# Altium PCB m-BLANC.PcbDoc (part 10 of 15)
Units mm, origin at the board's own origin, x right, y up, seen from the top; angles counter-clockwise.
Board outline 100 x 100 mm, 6 copper layers (Top Layer, InLayer1 (GND), InLayer2 (Signal), InLayer3 (PWR), InLayer4 (GND), Bottom Layer), stack 1.634 mm thick; 322 components, 563 nets, 2865 pads, 1870 vias.
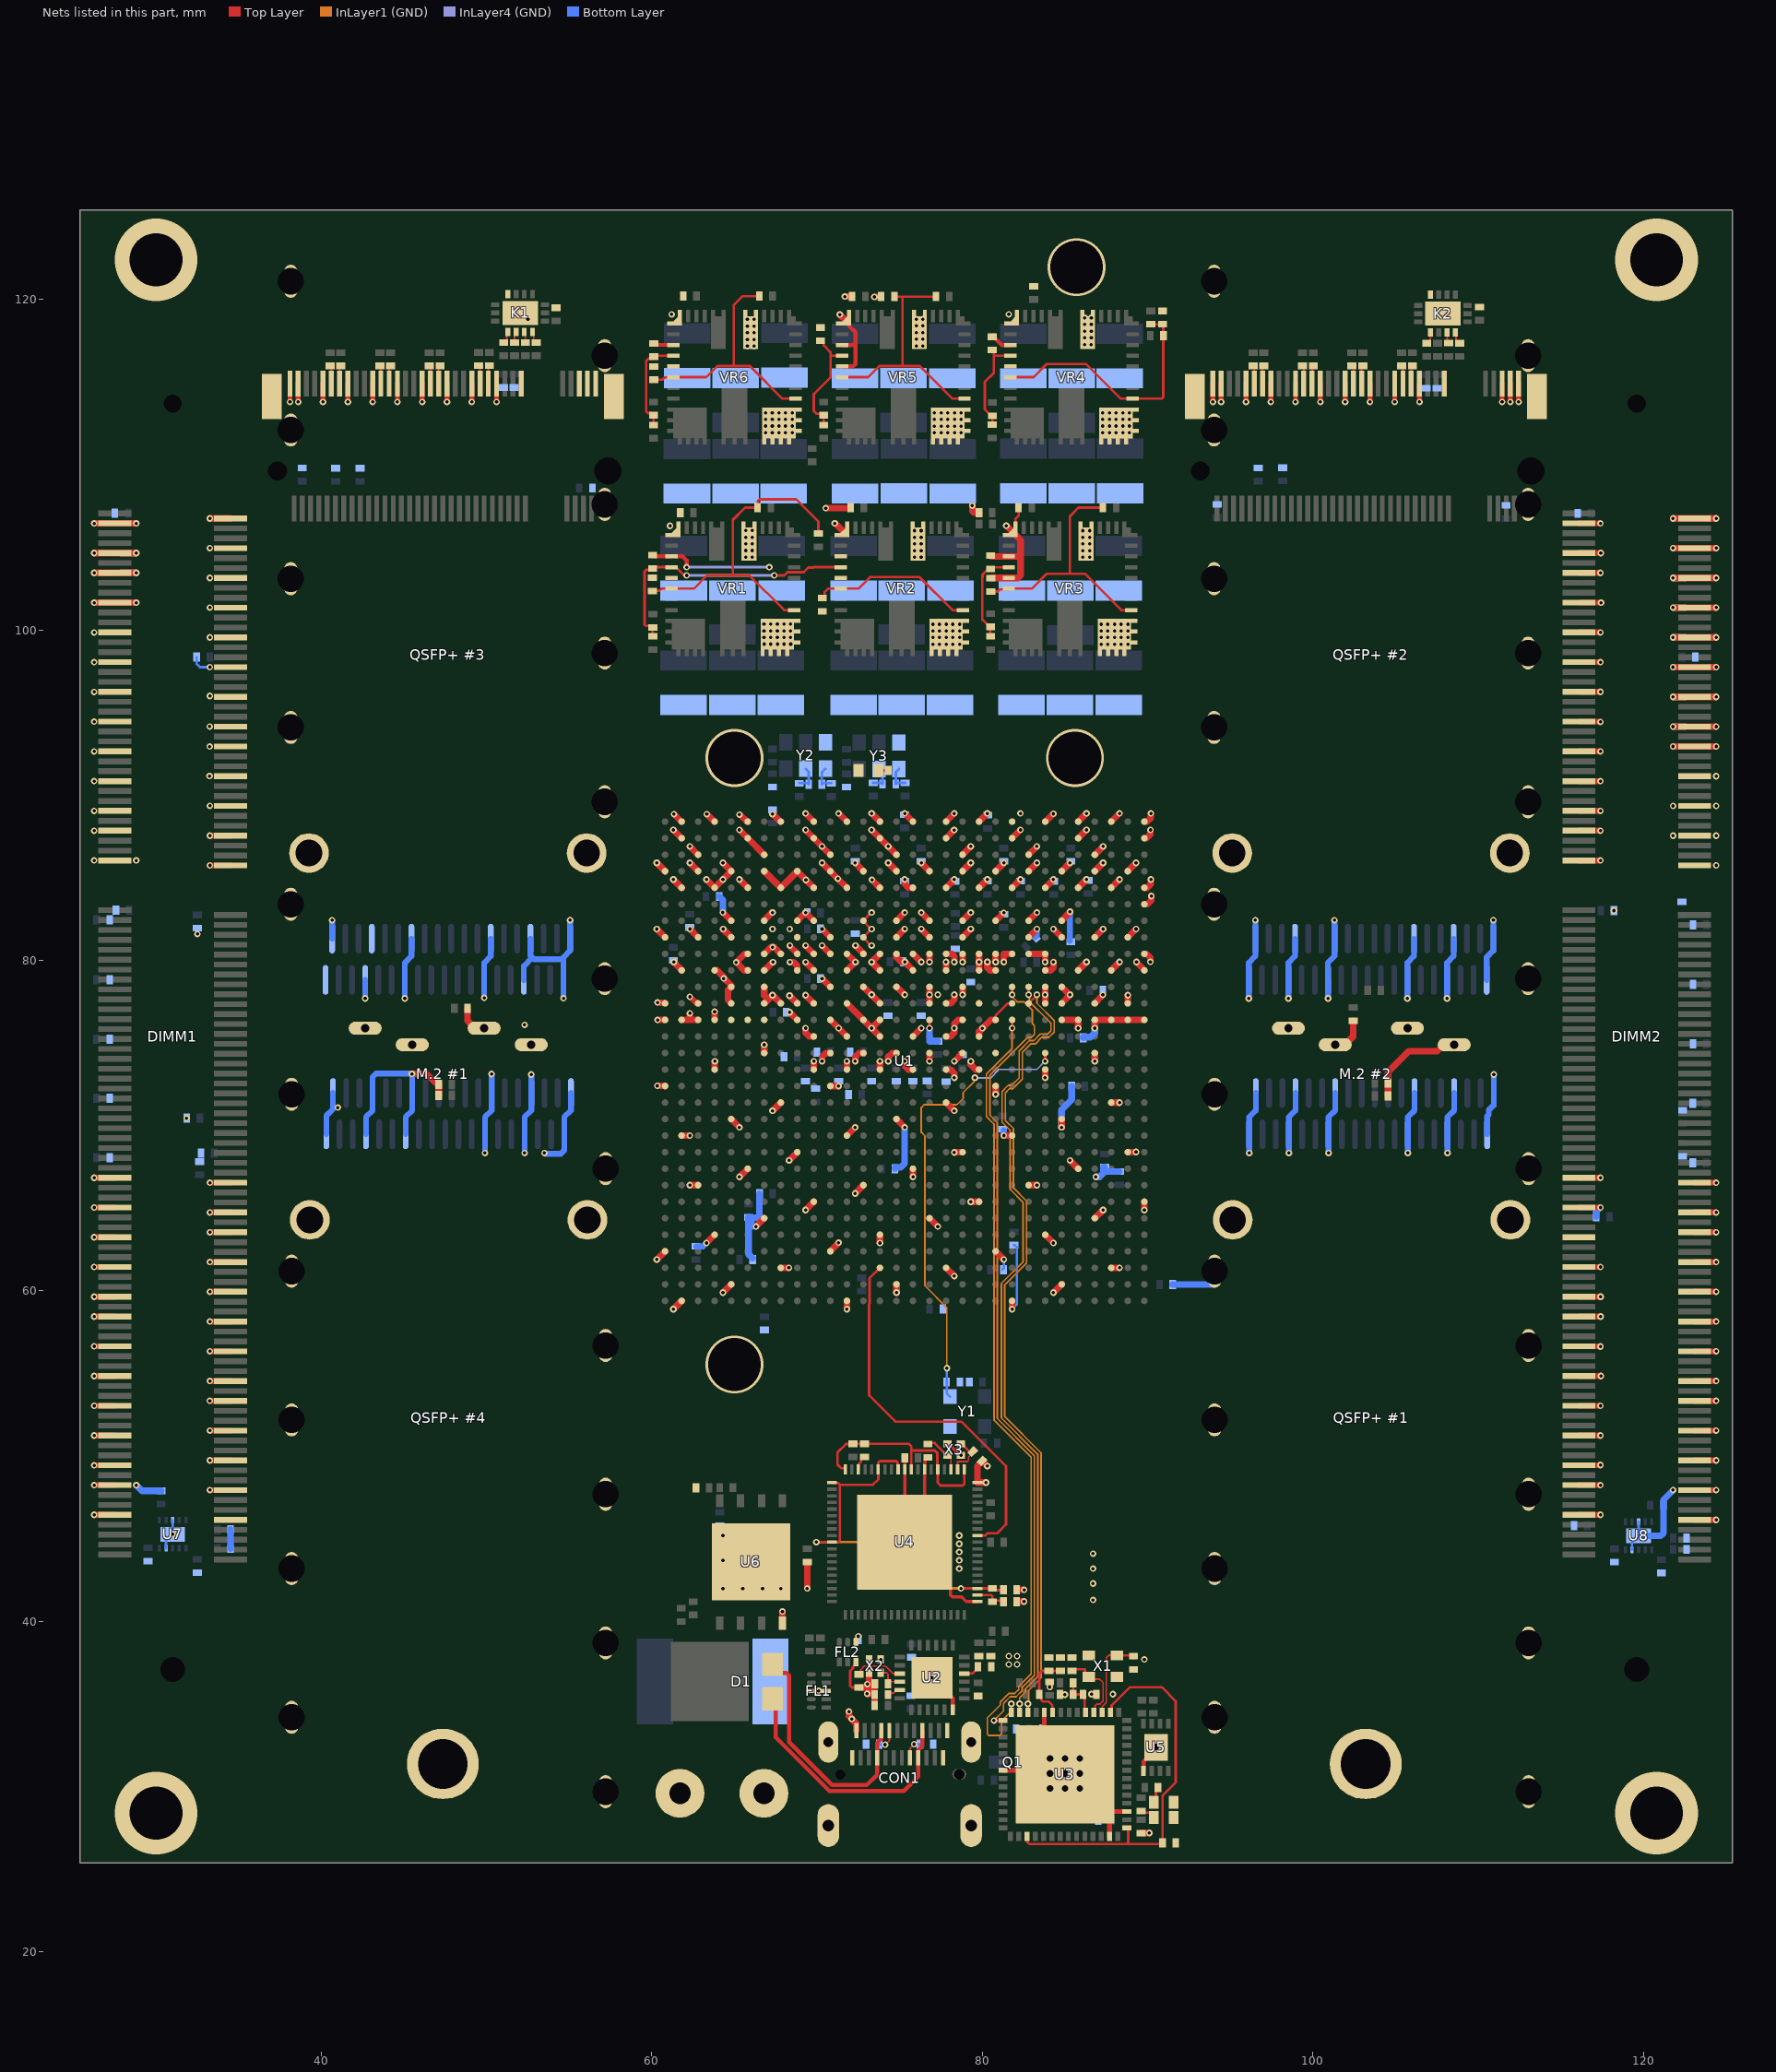
[diagram p14: the nets of this part, all layers, seen from the top]

## Via types
v1: diameter 0.4, hole 0.2, Top Layer to Bottom Layer, tented both sides, 1808 vias
v2: diameter 0.8, hole 0.4, Top Layer to Bottom Layer, tented both sides, 54 vias
v3: diameter 5, hole 3.2, Top Layer to Bottom Layer, 4 vias
v4: diameter 3.5, hole 3.2, Top Layer to Bottom Layer, 4 vias

## Nets (pads, with @x,y where several pads share a name; then routed paths per layer and width w, separated by ;. In a path a pad name is that pad's centre, name@x,y a point inside that pad or via, vN(x,y) a via of type N, cw(c..) or ccw(c..) an arc to the next point about the centre after c; other vN are vias at no path point) (continued)
FT_WR: U1.U28 U4.11 | length 23.6
  Top Layer w0.15: U1.U28@73.8,61.4 73.175,60.775 73.175,60.555 73.175,60.129 73.175,59.555 73.175,59.245 73.143,59.213 73.143,53.685 74.737,52.091 78.736,52.091 81.431,49.396 81.431,45.869 80.9,45.338 80.315,45.338 80.178,45.2 U4.11@79.7,45.2
GCLK: C84.2 U1.G15 Y1.3 | length 27.7
  Top Layer w0.15: v1(83.8,73.9) U1.G15@83.8,74.4
  InLayer1 (GND) w0.1: v1(77.851,55.323) 77.851,58.988 76.522,60.316 76.522,69.378 76.3,69.6 76.3,71.1 76.472,71.272 78.456,71.272 78.838,71.654 78.838,72 79.497,72.66 79.497,72.849 v1(79.55,72.902)
  InLayer4 (GND) w0.1: v1(79.55,72.902) 79.566,72.886 80.486,72.886 81,73.4 83.3,73.4 v1(83.8,73.9)
  Bottom Layer w0.15: v1(77.851,55.323) 77.844,55.317 77.844,54.492 C84.2@77.838,54.485 77.838,53.8 Y1.3@78.038,53.6
GND: "M.2 #1.1" "M.2 #1.3" "M.2 #1.9" "M.2 #1.15" "M.2 #1.21" "M.2 #1.27" "M.2 #1.33" "M.2 #1.39" "M.2 #1.45" "M.2 #1.51" "M.2 #1.57" "M.2 #1.71" "M.2 #1.73" "M.2 #1.75" "M.2 #1.MH3" "M.2 #1.MP1" "M.2 #1.MP2" "M.2 #2.1" "M.2 #2.3" "M.2 #2.9" "M.2 #2.15" "M.2 #2.21" "M.2 #2.27" "M.2 #2.33" "M.2 #2.39" "M.2 #2.45" "M.2 #2.51" "M.2 #2.57" "M.2 #2.71" "M.2 #2.73" "M.2 #2.75" "M.2 #2.MH3" "M.2 #2.MP1" "M.2 #2.MP2" "QSFP+ #1.1" "QSFP+ #1.4" "QSFP+ #1.7" "QSFP+ #1.13" "QSFP+ #1.16" "QSFP+ #1.19" "QSFP+ #1.20" "QSFP+ #1.23" "QSFP+ #1.26" "QSFP+ #1.32" "QSFP+ #1.35" "QSFP+ #1.38" "QSFP+ #1.MH1" "QSFP+ #1.MH2" "QSFP+ #1.MH3" "QSFP+ #1.MH4" "QSFP+ #1.MH5" "QSFP+ #1.MH6" "QSFP+ #1.MH7" "QSFP+ #1.MH8" "QSFP+ #1.MH9" "QSFP+ #1.MH10" "QSFP+ #1.MH11" "QSFP+ #1.MH12" "QSFP+ #1.MH13" "QSFP+ #1.MH14" "QSFP+ #2.1" "QSFP+ #2.4" "QSFP+ #2.7" "QSFP+ #2.13" "QSFP+ #2.16" "QSFP+ #2.19" "QSFP+ #2.20" "QSFP+ #2.23" "QSFP+ #2.26" "QSFP+ #2.32" "QSFP+ #2.35" "QSFP+ #2.38" "QSFP+ #2.MH1" "QSFP+ #2.MH2" "QSFP+ #2.MH3" "QSFP+ #2.MH4" "QSFP+ #2.MH5" "QSFP+ #2.MH6" "QSFP+ #2.MH7" "QSFP+ #2.MH8" "QSFP+ #2.MH9" "QSFP+ #2.MH10" "QSFP+ #2.MH11" "QSFP+ #2.MH12" "QSFP+ #2.MH13" "QSFP+ #2.MH14" "QSFP+ #3.1" "QSFP+ #3.4" "QSFP+ #3.7" "QSFP+ #3.13" "QSFP+ #3.16" "QSFP+ #3.19" "QSFP+ #3.20" "QSFP+ #3.23" "QSFP+ #3.26" "QSFP+ #3.32" "QSFP+ #3.35" "QSFP+ #3.38" "QSFP+ #3.MH1" "QSFP+ #3.MH2" "QSFP+ #3.MH3" "QSFP+ #3.MH4" "QSFP+ #3.MH5" "QSFP+ #3.MH6" "QSFP+ #3.MH7" "QSFP+ #3.MH8" "QSFP+ #3.MH9" "QSFP+ #3.MH10" "QSFP+ #3.MH11" "QSFP+ #3.MH12" "QSFP+ #3.MH13" "QSFP+ #3.MH14" "QSFP+ #4.1" "QSFP+ #4.4" "QSFP+ #4.7" "QSFP+ #4.13" "QSFP+ #4.16" "QSFP+ #4.19" "QSFP+ #4.20" "QSFP+ #4.23" "QSFP+ #4.26" "QSFP+ #4.32" "QSFP+ #4.35" "QSFP+ #4.38" "QSFP+ #4.MH1" "QSFP+ #4.MH2" "QSFP+ #4.MH3" "QSFP+ #4.MH4" "QSFP+ #4.MH5" "QSFP+ #4.MH6" "QSFP+ #4.MH7" "QSFP+ #4.MH8" "QSFP+ #4.MH9" "QSFP+ #4.MH10" "QSFP+ #4.MH11" "QSFP+ #4.MH12" "QSFP+ #4.MH13" "QSFP+ #4.MH14" C1.1 C2.1 C3.1 C4.1 C5.1 C6.1 C7.1 C8.1 C9.1 C10.1 C11.1 C12.2 C13.2 C14.1 C15.2 C16.1 C17.2 C18.2 C19.2 C20.2 C21.1 C22.1 C23.1 C24.1 C25.1 C26.2 C27.2 C28.1 C29.1 C30.2 C31.2 C32.2 C33.2 C34.1 C35.1 C37.2 C38.2 C39.2 C40.2 C41.1 C42.1 C43.1 C44.1 C45.1 C46.1 C48.2 C49.2 C50.2 C51.2 C52.1 C53.1 C54.1 C56.2 C57.2 C58.2 C59.2 C60.1 C61.1 C62.1 C64.2 C65.2 C66.2 C67.2 C68.1 C69.1 C70.1 C72.2 C73.2 C74.2 C75.2 C76.1 C77.2 C78.2 C79.2 C80.2 C83.2 C84.1 C89.1 C90.1 C109.1 C110.1 C111.1 C112.1 C113.1 C114.1 C115.1 C116.1 C117.1 C118.1 C119.1 C120.1 C121.1 C122.1 C123.1 C124.1 C125.1 C126.1 C127.1 C128.1 C129.1 C130.1 C131.1 C132.1 C133.1 C134.1 C135.1 C136.1 C137.1 C138.1 C139.1 C140.1 C141.1 C142.1 C143.1 C144.1 C145.1 C146.1 C147.1 C148.1 C149.1 C150.1 C151.1 C152.1 C153.1 C154.1 C155.1 C156.1 C157.1 C158.1 C159.1 C160.1 C161.1 C162.1 C163.1 C164.1 C165.1 C166.1 C167.1 C168.1 C169.1 C170.1 C171.1 C172.1 C173.1 C174.1 C175.2 C176.2 C179.1 C180.1 C181.1 C182.1 C183.1 C184.1 C185.1 C186.1 C187.1 C188.1 C189.1 C190.1 C191.1 C192.1 C193.1 C194.1 C195.1 C196.1 C197.1 C198.1 C199.1 C200.1 CON1.A1 CON1.A12 CON1.B1 CON1.B12 CON1.S DIMM1.2 DIMM1.3 DIMM1.8 DIMM1.9 DIMM1.13 DIMM1.14 DIMM1.19 DIMM1.20 DIMM1.25 DIMM1.26 DIMM1.31 DIMM1.32 DIMM1.37 DIMM1.38 DIMM1.43 DIMM1.44 DIMM1.48 DIMM1.49 DIMM1.54 DIMM1.55 DIMM1.60 DIMM1.61 DIMM1.65 DIMM1.66 DIMM1.71 DIMM1.72 DIMM1.127 DIMM1.128 DIMM1.133 DIMM1.134 DIMM1.138 DIMM1.139 DIMM1.144 DIMM1.145 DIMM1.150 DIMM1.151 DIMM1.155 DIMM1.156 DIMM1.161 DIMM1.162 DIMM1.167 DIMM1.168 DIMM1.172 DIMM1.173 DIMM1.178 DIMM1.179 DIMM1.184 DIMM1.185 DIMM1.189 DIMM1.190 DIMM1.195 DIMM1.196 DIMM2.2 DIMM2.3 DIMM2.8 DIMM2.9 DIMM2.13 DIMM2.14 DIMM2.19 DIMM2.20 DIMM2.25 DIMM2.26 DIMM2.31 DIMM2.32 DIMM2.37 DIMM2.38 DIMM2.43 DIMM2.44 DIMM2.48 DIMM2.49 DIMM2.54 DIMM2.55 DIMM2.60 DIMM2.61 DIMM2.65 DIMM2.66 DIMM2.71 DIMM2.72 DIMM2.127 DIMM2.128 DIMM2.133 DIMM2.134 DIMM2.138 DIMM2.139 DIMM2.144 DIMM2.145 DIMM2.150 DIMM2.151 DIMM2.155 DIMM2.156 DIMM2.161 DIMM2.162 DIMM2.167 DIMM2.168 DIMM2.172 DIMM2.173 DIMM2.178 DIMM2.179 DIMM2.184 DIMM2.185 DIMM2.189 DIMM2.190 DIMM2.195 DIMM2.196 DS1.2 DS2.2 DS3.2 FL1.3 FL1.8 FL2.3 FL2.4 J1.1 K1.4 K1.15 K2.4 K2.15 Q1.2 R5.2 R7.1 R11.2 R12.2 R14.1 R22.2 R23.2 R24.2 R25.2 R26.2 R27.2 R28.2 R29.2 R30.2 R31.2 R32.2 R33.2 R36.2 R38.2 R40.2 R43.2 R44.2 R47.2 R48.2 R51.2 R52.2 R55.2 R56.2 R59.2 R60.1 R61.1 R69.1 R70.1 R73.1 R74.1 R75.2 U1.A1 U1.A2 U1.A5 U1.A6 U1.A9 U1.A10 U1.A13 U1.A24 U1.AA1 U1.AA2 U1.AA5 U1.AA7 U1.AA9 U1.AA10 U1.AA12 U1.AA14 U1.AA16 U1.AA24 U1.AB4 U1.AB7 U1.AB8 U1.AB9 U1.AB10 U1.AB12 U1.AB13 U1.AB21 U1.AC1 U1.AC5 U1.AC9 U1.AC12 U1.AC18 U1.AC28 U1.AD3 U1.AD4 U1.AD7 U1.AD8 U1.AD9 U1.AD10 U1.AD11 U1.AD12 U1.AD13 U1.AD15 U1.AD25 U1.AE1 U1.AE2 U1.AE5 U1.AE9 U1.AE10 U1.AE13 U1.AE22 U1.AF4 U1.AF7 U1.AF8 U1.AF11 U1.AF12 U1.AF13 U1.AF19 U1.AF29 U1.AG1 U1.AG5 U1.AG10 U1.AG13 U1.AG16 U1.AG26 U1.AH3 U1.AH4 U1.AH8 U1.AH12 U1.AH13 U1.AH23 U1.AJ1 U1.AJ2 U1.AJ5 U1.AJ10 U1.AJ13 U1.AJ20 U1.AJ30 U1.AK4 U1.AK8 U1.AK12 U1.AK13 U1.AK17 U1.AK27 U1.B4 U1.B8 U1.B12 U1.B13 U1.B21 U1.C1 U1.C5 U1.C10 U1.C13 U1.C18 U1.C28 U1.D3 U1.D4 U1.D8 U1.D12 U1.D13 U1.D15 U1.D25 U1.E1 U1.E2 U1.E5 U1.E10 U1.E13 U1.E22 U1.F4 U1.F7 U1.F8 U1.F11 U1.F12 U1.F13 U1.F19 U1.F29 U1.G1 U1.G5 U1.G9 U1.G10 U1.G11 U1.G12 U1.G16 U1.G26 U1.H3 U1.H4 U1.H7 U1.H8 U1.H9 U1.H23 U1.J1 U1.J2 U1.J5 U1.J9 U1.J12 U1.J20 U1.J30 U1.K4 U1.K7 U1.K9 U1.K10 U1.K13 U1.K15 U1.K17 U1.K27 U1.L1 U1.L5 U1.L9 U1.L10 U1.L12 U1.L14 U1.L16 U1.L24 U1.M3 U1.M4 U1.M7 U1.M8 U1.M9 U1.M11 U1.M13 U1.M15 U1.M21 U1.N1 U1.N2 U1.N5 U1.N9 U1.N10 U1.N12 U1.N14 U1.N16 U1.N18 U1.N28 U1.P4 U1.P7 U1.P8 U1.P9 U1.P11 U1.P12 U1.P15 U1.P25 U1.R1 U1.R5 U1.R9 U1.R10 U1.R14 U1.R16 U1.R22 U1.T3 U1.T4 U1.T7 U1.T8 U1.T9 U1.T11 U1.T15 U1.T19 U1.T29 U1.U1 U1.U2 U1.U5 U1.U9 U1.U10 U1.U12 U1.U13 U1.U14 U1.U16 U1.U26 U1.V4 U1.V7 U1.V8 U1.V9 U1.V11 U1.V13 U1.V15 U1.V23 U1.W1 U1.W5 U1.W9 U1.W10 U1.W12 U1.W14 U1.W16 U1.W20 U1.W30 U1.Y3 U1.Y4 U1.Y8 U1.Y9 U1.Y11 U1.Y13 U1.Y15 U1.Y17 U1.Y27 U2.6 U2.25 U3.10 U3.21 U3.41 U3.45 U3.57 U4.1 U4.19 U4.26 U4.29 U4.36 U4.77 U5.5 U5.9 U6.4 U7.4 U7.8 U7.11 U8.4 U8.8 U8.11 VR1.1 VR1.3 VR1.5 VR1.19 VR1.20 VR1.21 VR1.22 VR1.23 VR1.24 VR1.25 VR1.38 VR1.39 VR1.45 VR2.1 VR2.3 VR2.5 VR2.19 VR2.20 VR2.21 VR2.22 VR2.23 VR2.24 VR2.25 VR2.38 VR2.39 VR2.45 VR3.1 VR3.3 VR3.5 VR3.19 VR3.20 VR3.21 VR3.22 VR3.23 VR3.24 VR3.25 VR3.38 VR3.39 VR3.45 VR4.1 VR4.3 VR4.5 VR4.19 VR4.20 VR4.21 VR4.22 VR4.23 VR4.24 VR4.25 VR4.38 VR4.39 VR4.45 VR5.1 VR5.3 VR5.5 VR5.19 VR5.20 VR5.21 VR5.22 VR5.23 VR5.24 VR5.25 VR5.38 VR5.39 VR5.45 VR6.1 VR6.3 VR6.5 VR6.19 VR6.20 VR6.21 VR6.22 VR6.23 VR6.24 VR6.25 VR6.38 VR6.39 VR6.45 X1.2 X1.4 X2.2 X2.4 X3.2 X3.4 Y1.2 Y2.3 Y3.3 | length 538.4
  Top Layer w0.15: C160.1@47.098,71.821 C160.1@47.099,71.822 ; R55.2@60.124,117.343 R55.2@60.217,117.25 ; U1.AG13@63.8,76.4 U1.AG13@63.925,76.4 ; v1(72.325,80.905) v1@72.325,80.915 ; FL2.3@72.345,37.55 72.345,37.425 72.17,37.25 72.17,37.17 72,37 72,36.1 72.1,36 C21.1@72.524,36 ; FL2.4@72.345,38.75 FL2.4@72.345,38.91 ; v1@72.5,39.065 v1(72.5,39.1) ; U4.36@72.5,49.2 72.525,49.225 72.525,49.545 72.663,49.683 72.663,49.825 72.788,49.95 C11.1@72.863,49.95 ; v1@73.295,80.905 73.265,80.905 72.8,81.37 U1.V8@72.8,81.4 72.8,81.43 v1@73.274,81.905 ; v1@73.3,81.905 v1@73.274,81.905 ; v1(73.3,82.9) 73.27,82.9 72.8,82.43 U1.V7@72.8,82.4 72.8,82.37 73.265,81.905 v1@73.274,81.905 ; U1.K13@80.8,76.4 80.808,76.408 80.808,76.693 81.507,77.392 81.792,77.392 U1.J12@81.8,77.4 ; VR3.45@82,106.2 82,106.717 82.192,106.909 R44.2@82.193,107.401 ; C3.1@89.597,27.189 C3.1@89.602,27.194 ; v1@90.094,27.194 v1(90.1,27.2) ; 101.35,74.9 101.95,74.9
  Top Layer w0.2: R55.2@60.217,117.25 VR6.3@61.292,117.25 ; FL1.8@69.651,35.801 v1(70.089,35.801) ; v1(70.089,35.801) FL1.3@70.549,35.801 ; U4.77@75.3,44.8 U4.29@75.3,49.2 ; U4.29@75.302,49.202 R5.2@75.302,49.893 ; U4.77@76.5,46 76.5,49.571 76.534,49.604 76.534,49.834 76.634,49.934 C18.2@76.703,49.934 ; X3.2@77.95,50.75 X3.4@78.65,50.05 ; U4.77@78.069,42.031 78.069,41.6 78.186,41.483 78.74,41.483 79.022,41.2 U4.1@79.7,41.2
  Top Layer w0.25: R36.2@60.047,104.522 60.119,104.45 VR1.3@61.2,104.45 ; VR1.3@61.378,104.45 61.85,104.45 62.1,104.2 v1(62.1,103.8) ; VR5.5@71.52,115.943 72.167,115.943 72.314,116.089 72.314,118.012 71.92,118.406 VR5.1@71.92,118.543 ; VR5.3@71.52,117.243 72.308,117.243 ; U2.25@78.003,35.548 78.203,35.348 U2.6@78.203,34.648 ; R47.2@80.675,117.743 81.176,117.243 VR4.3@81.7,117.243 ; U5.5@89.752,30.951 89.752,31.536 U5.9@90.502,32.286
  Top Layer w0.3: v1(38.1,113.8) 38.1,114.9 ; v1(38.6,113.8) 38.6,114.9 ; v1(40.1,113.8) 40.1,114.9 ; v1(41.6,113.8) 41.6,114.9 ; v1(43.1,113.8) 43.1,114.9 ; v1(44.6,113.8) 44.6,114.9 ; v1(46.1,113.8) 46.1,114.9 ; v1(47.6,113.8) 47.6,114.9 ; v1(49.1,113.8) 49.1,114.9 ; v1(50.6,113.8) 50.6,114.9 ; FL2.4@72.345,38.91 v1@72.5,39.065 ; U3.21@81.247,31 U3.57@84.747,31 ; U3.57@83.747,32 U3.10@83.747,34.5 ; U3.57@87.247,28.5 U3.45@88.747,28.5 ; U3.41@87.697,27 U3.57@87.697,28.05 ; v1(93.95,113.8) 93.95,114.9 ; v1(94.45,113.8) 94.45,114.9 ; v1(95.95,113.8) 95.95,114.9 ; v1(97.45,113.8) 97.45,114.9 ; v1(98.95,113.8) 98.95,114.9 ; v1(100.45,113.8) 100.45,114.9 ; v1(101.95,113.8) 101.95,114.9 ; v1(103.45,113.8) 103.45,114.9 ; v1(104.95,113.8) 104.95,114.9 ; v1(106.45,113.8) 106.45,114.9 ; v1(111.45,113.8) 111.45,114.9 ; v1(111.95,113.8) 111.95,114.9 ; v1(112.45,113.8) 112.45,114.9
  Top Layer w0.35: v1(26.25,46.45) DIMM1.195@27.5,46.45 ; v1(26.25,48.25) DIMM1.189@27.5,48.25 ; v1(26.25,49.45) DIMM1.185@27.5,49.45 ; v1(26.25,51.25) DIMM1.179@27.5,51.25 ; v1(26.25,53.05) DIMM1.173@27.5,53.05 ; v1(26.25,54.85) DIMM1.167@27.5,54.85 ; v1(26.25,56.65) DIMM1.161@27.5,56.65 ; v1(26.25,58.45) DIMM1.155@27.5,58.45 ; v1(26.25,59.65) DIMM1.151@27.5,59.65 ; v1(26.25,61.45) DIMM1.145@27.5,61.45 ; v1(26.25,63.25) DIMM1.139@27.5,63.25 ; v1(26.25,65.05) DIMM1.133@27.5,65.05 ; v1(26.25,66.85) DIMM1.127@27.5,66.85 ; v1(33.246,53.35) DIMM1.172@34.546,53.35 ; v1(33.25,47.95) DIMM1.190@34.55,47.95 ; v1(33.25,49.75) DIMM1.184@34.55,49.75 ; v1(33.25,51.55) DIMM1.178@34.55,51.55 ; v1(33.25,54.55) DIMM1.168@34.55,54.55 ; v1(33.25,56.35) DIMM1.162@34.55,56.35 ; v1(33.25,58.15) DIMM1.156@34.55,58.15 ; v1(33.25,59.95) DIMM1.150@34.55,59.95 ; v1(33.25,61.75) DIMM1.144@34.55,61.75 ; v1(33.25,63.55) DIMM1.138@34.55,63.55 ; v1(33.25,64.75) DIMM1.134@34.55,64.75 ; v1(33.25,66.55) DIMM1.128@34.5,66.55 DIMM1.128@34.55,66.55 ; v1(33.25,85.75) DIMM1.72@34.5,85.75 ; v1(33.25,87.55) DIMM1.66@34.5,87.55 ; v1@62.31,77.79 62.576,77.525 62.6,77.525 62.716,77.41 62.79,77.41 U1.AH12@62.8,77.4 ; DIMM2.195@116.1,46.45 v1(117.4,46.45) ; DIMM2.189@116.1,48.25 v1(117.4,48.25) ; DIMM2.185@116.1,49.45 117.369,49.45 117.386,49.468 v1(117.4,49.468) ; DIMM2.179@116.1,51.25 v1(117.4,51.25) ; DIMM2.173@116.1,53.05 v1(117.4,53.05) ; DIMM2.167@116.1,54.85 v1@117.427,54.85 ; DIMM2.161@116.1,56.65 117.377,56.65 117.379,56.649 117.39,56.649 v1@117.391,56.65 ; DIMM2.155@116.1,58.45 v1(117.408,58.45) ; DIMM2.151@116.1,59.65 v1@117.403,59.65 ; DIMM2.145@116.1,61.45 v1(117.4,61.45) ; DIMM2.133@116.1,65.05 v1(117.4,65.05) ; DIMM2.127@116.1,66.85 v1(117.4,66.85) ; DIMM2.71@116.1,86.05 v1(117.4,86.05) ; DIMM2.65@116.1,87.85 v1(117.4,87.85) ; DIMM2.61@116.1,89.05 v1(117.4,89.05) ; DIMM2.55@116.1,90.85 v1(117.4,90.85) ; DIMM2.49@116.1,92.65 v1(117.4,92.65) ; DIMM2.25@116.1,99.85 v1(117.4,99.85) ; DIMM2.13@116.1,103.45 v1(117.4,103.45) ; DIMM2.3@116.1,106.45 v1(117.4,106.45) ; DIMM2.9@116.117,104.65 v1@117.416,104.65 ; DIMM2.43@116.137,94.45 v1@117.371,94.45 ; DIMM2.31@116.174,98.05 v1(117.398,98.049) ; DIMM2.19@116.174,101.65 v1@117.431,101.65 ; DIMM2.37@116.2,96.25 v1@117.424,96.25 ; DIMM2.196@123.1,46.15 v1(124.4,46.15) ; DIMM2.190@123.1,47.95 v1(124.4,47.95) ; DIMM2.184@123.1,49.75 v1(124.4,49.75) ; DIMM2.178@123.1,51.55 v1(124.4,51.55) ; DIMM2.172@123.1,53.35 v1(124.4,53.35) ; DIMM2.168@123.1,54.55 v1(124.4,54.55) ; DIMM2.162@123.1,56.35 v1(124.4,56.35) ; DIMM2.156@123.1,58.15 v1(124.4,58.15) ; DIMM2.150@123.1,59.95 v1(124.4,59.95) ; DIMM2.144@123.1,61.75 v1(124.4,61.75) ; DIMM2.138@123.1,63.55 v1(124.4,63.55) ; DIMM2.134@123.1,64.75 v1(124.4,64.75) ; DIMM2.128@123.1,66.55 v1(124.4,66.55)
  Top Layer w0.4: v1(26.25,101.65) DIMM1.19@27.5,101.65 v1@28.75,101.65 ; v1(26.25,103.45) DIMM1.13@27.5,103.45 v1@28.75,103.45 ; v1(26.25,104.65) DIMM1.9@27.5,104.65 v1@28.75,104.65 ; v1(26.25,106.45) DIMM1.3@27.5,106.45 v1@28.75,106.45 ; v1(33.25,106.744) 33.253,106.747 34.497,106.747 DIMM1.2@34.5,106.75 ; v1(45.477,73.133) 46.36,73.133 46.918,72.575 47.1,72.575 C161.1@47.1,72.5 ; C160.1@47.099,71.822 C161.1@47.1,72.5 ; C170.1@48.852,77.1 48.852,76.348 49.1,76.1 ; v1(60.3,61.9) U1.AK27@60.8,62.4 ; v1(60.3,81.9) U1.AK8@60.8,81.4 ; v1(60.3,85.9) U1.AK4@60.8,85.4 ; v1(60.333,72.413) 60.787,72.413 U1.AK17@60.8,72.4 ; v1(60.344,76.4) U1.AK13@60.8,76.4 ; v1(60.347,77.461) 60.377,77.431 60.769,77.431 U1.AK12@60.8,77.4 ; v1(61.3,58.9) U1.AJ30@61.8,59.4 ; v1(61.3,84.9) U1.AJ5@61.8,84.4 ; v1(61.3,87.9) U1.AJ2@61.8,87.4 ; v1(61.33,79.903) 61.33,79.886 61.8,79.417 U1.AJ10@61.8,79.4 ; v1(61.334,88.855) 61.339,88.855 61.794,88.4 U1.AJ1@61.8,88.4 ; U1.AJ20@61.8,69.4 v1(62.3,69.4) ; U1.AJ13@61.8,76.4 U1.AH13@62.8,76.4 62.3,76.4 v1(62.3,76.8) ; v1(62.3,66.4) U1.AH23@62.8,66.4 ; v1(62.3,81.9) U1.AH8@62.8,81.4 ; v1(62.3,85.9) U1.AH4@62.8,85.4 ; v1(62.3,86.9) U1.AH3@62.8,86.4 ; v1(63.3,62.9) U1.AG26@63.8,63.4 ; v1(63.3,84.9) U1.AG5@63.8,84.4 v1(64.3,84.9) U1.AF4@64.8,85.4 v1(64.3,85.9) ; v1(63.321,88.855) 63.333,88.855 63.788,88.4 U1.AG1@63.8,88.4 ; U1.AG16@63.8,73.4 63.806,73.406 63.806,73.894 v1(63.812,73.9) ; U1.AG13@63.8,76.4 v1(63.8,76.9) ; U1.AG10@63.8,79.4 63.939,79.4 64.353,78.986 v1(64.353,78.907) 64.388,78.907 64.8,78.495 U1.AF11@64.8,78.4 64.602,78.202 64.602,77.598 U1.AF12@64.8,77.4 ; v1(64.295,82.904) U1.AF7@64.8,82.4 ; v1(64.3,59.9) U1.AF29@64.8,60.4 ; v1(64.316,81.9) 64.316,81.892 64.8,81.408 U1.AF8@64.8,81.4 ; U1.AF19@64.8,70.4 v1(65.3,69.9) ; v1@65.297,84.903 U1.AE5@65.8,84.4 ; v1(65.3,66.9) U1.AE22@65.8,67.4 ; v1(65.3,87.9) U1.AE2@65.8,87.4 U1.AD3@66.8,86.4 ; v1(65.3,88.825) 65.337,88.825 65.763,88.4 U1.AE1@65.8,88.4 ; U1.AE10@65.8,79.4 65.591,79.4 v1(65.102,79.889) 65.613,80.4 U1.AE9@65.8,80.4 ; v1(66.3,63.9) U1.AD25@66.8,64.4 ; U1.AD15@66.8,74.4 v1(66.8,74.9) ; U1.AD11@66.8,78.4 66.8,77.9 66.9,77.8 ; U1.AD10@66.8,79.4 66.812,79.4 67.312,79.9 v1(67.324,79.9) ; U1.AD9@66.8,80.4 67.21,80.81 67.39,80.81 U1.AC9@67.8,80.4 ; U1.AD7@66.8,82.4 66.8,82.43 67.27,82.9 v1(67.302,82.9) ; U1.AD4@66.8,85.4 U1.AC5@67.8,84.4 U1.AB4@68.8,85.4 68.8,85.394 69.32,84.874 v1(69.32,84.868) 69.326,84.868 69.794,84.4 U1.AA5@69.8,84.4 ; U1.AD12@66.801,77.4 v1(67.302,77.9) ; VR6.19@66.874,112.339 v1(66.88,112.339) ; VR6.19@66.876,112.738 VR6.19@66.946,112.668 ; v1(66.88,111.936) VR6.19@66.88,112.052 ; VR6.19@67.277,112.742 VR6.19@67.352,112.668 ; v1(67.286,112.339) VR6.19@67.348,112.339 ; v1(67.3,70.9) U1.AC18@67.8,71.4 ; v1(67.3,88.855) 67.323,88.855 67.777,88.4 U1.AC1@67.8,88.4 ; v1(67.302,77.9) U1.AC12@67.799,77.402 ; VR6.19@67.61,112.835 VR6.19@67.677,112.768 ; VR6.19@67.657,112.701 VR6.19@67.688,112.731 ; VR6.19@67.677,112.339 67.677,112.327 VR6.19@67.688,112.337 ; VR6.19@67.677,112.742 VR6.19@67.677,112.768 ; VR6.19@67.688,112.334 VR6.19@67.688,112.337 ; v1(67.69,112.339) VR6.19@67.688,112.337 ; v1(67.69,112.742) 67.688,112.74 VR6.19@67.688,112.731 ; VR6.19@67.703,112.742 VR6.19@67.701,112.744 ; VR6.19@67.759,112.67 VR6.19@67.69,112.67 ; U1.AC28@67.8,61.4 v1(68.29,61.4) ; v1(67.9,40.6) 67.905,40.595 U6.4@67.905,39.9 ; VR6.19@67.989,112.744 67.987,112.742 VR6.19@68.083,112.742 ; VR6.19@68.045,112.299 VR6.19@68.08,112.264 ; v1(68.3,67.9) U1.AB21@68.8,68.4 ; v1(68.335,77.866) U1.AB12@68.8,77.401 ; v1(68.335,76.864) U1.AB13@68.8,76.4 ; v1(68.349,79.9) 68.566,79.9 68.8,79.666 U1.AB10@68.8,79.4 ; v1(68.349,80.9) 68.349,80.876 68.8,80.424 U1.AB9@68.8,80.4 ; U1.AB8@68.8,81.4 U1.AB8@68.8,81.43 ; U1.AB7@68.8,82.4 v1(69.3,82.9) U1.AA7@69.8,82.4 ; v1(69.3,64.9) U1.AA24@69.8,65.4 ; v1(69.3,77.9) U1.AA12@69.8,77.4 ; v1(69.3,79.9) U1.AA10@69.8,79.4 ; v1(69.3,80.9) U1.AA9@69.8,80.4 ; v1(69.3,87.9) U1.AA2@69.8,87.4 v1(70.3,86.9) U1.Y3@70.8,86.4 ; v1(69.3,88.9) U1.AA1@69.8,88.4 ; v1(69.301,75.9) 69.301,75.634 69.535,75.4 U1.AA14@69.8,75.4 ; v1(69.4,42) C10.1@69.4,43.569 ; U1.AA16@69.8,73.4 v1(69.8,73.9) ; v1(70.298,85.902) U1.Y4@70.8,85.4 v1(71.255,84.945) U1.W5@71.8,84.4 ; v1@70.3,73.903 70.3,74.166 70.534,74.4 U1.Y15@70.8,74.4 ; v1(70.3,78.9) U1.Y11@70.8,78.4 ; v1(70.3,80.9) U1.Y9@70.8,80.4 ; v1(70.3,81.9) U1.Y8@70.8,81.4 ; v1(70.521,107.368) 71.986,107.368 R40.2@72.02,107.401 ; U1.Y27@70.8,62.4 70.8,62.413 71.3,62.913 v1(71.3,62.925) ; U1.Y17@70.8,72.4 v1(71.3,72.4) ; U1.Y13@70.8,76.4 70.803,76.4 71.3,75.904 v1(71.303,75.904) 71.303,75.9 71.8,75.403 U1.W14@71.8,75.4 ; v1@71.06,106.453 v1(71.063,106.45) 71.089,106.45 71.633,105.907 VR2.1@71.659,105.907 ; v1(71.3,88.9) U1.W1@71.8,88.4 ; v1@71.376,119.084 71.758,118.702 VR5.1@71.761,118.702 ; v1(71.681,120.171) 71.684,120.175 R52.2@72.118,120.175 ; v1(71.8,58.9) U1.W30@71.8,59.4 ; U1.W20@71.8,69.4 71.803,69.4 72.3,69.897 v1(72.303,69.897) ; U1.W16@71.8,73.4 v1(71.8,73.9) ; U1.W12@71.8,77.4 v1(73.3,75.9) ; U1.W10@71.8,79.4 71.813,79.4 v1@72.313,79.9 ; U1.W9@71.8,80.4 71.812,80.4 v1@72.312,79.9 ; v1(71.922,34.549) 71.932,34.539 71.932,34.282 72.1,34.114 v1(72.1,34.1) ; R52.2@72.091,120.147 R52.2@72.118,120.175 ; v1@72.1,34.086 72.372,33.814 CON1.A1@72.372,33.393 ; R52.2@72.12,120.176 R52.2@72.118,120.175 ; v1(72.3,65.9) U1.V23@72.8,66.4 ; v1(72.3,73.9) 72.3,74.166 72.534,74.4 U1.V15@72.8,74.4 ; v1(72.3,85.9) U1.V4@72.8,85.4 ; v1(72.325,79.9) v1@72.313,79.9 ; v1(72.325,80.905) 72.325,80.89 72.8,80.415 U1.V9@72.8,80.4 ; C21.1@72.524,36 73.384,36 73.485,35.899 ; U1.V11@72.8,78.4 72.811,78.4 73.289,77.922 v1(73.3,77.922) 73.3,77.911 73.8,77.411 U1.U12@73.8,77.4 ; v1(73.027,35.626) 73.435,35.626 C20.2@73.485,35.576 ; v1(73.039,36.208) C16.1@73.47,36.208 ; 73.15,36.386 X2.2@73.15,36.9 ; v1(73.3,87.9) U1.U2@73.8,87.4 v1(74.3,86.9) U1.T3@74.8,86.4 ; v1(73.3,88.9) U1.U1@73.8,88.4 ; v1(73.319,84.881) U1.U5@73.8,84.4 ; v1(73.462,120.152) 73.854,120.152 C68.1@73.878,120.176 ; R14.1@73.48,34.921 73.485,34.926 C20.2@73.485,35.576 ; C16.1@73.485,36.222 73.485,35.899 ; v1(73.8,62.9) U1.U26@73.8,63.4 ; U1.U16@73.8,73.4 v1(73.8,73.9) ; U1.U14@73.8,75.4 v1(73.3,75.9) ; U1.U13@73.8,76.4 v1(73.3,75.9) ; U1.U10@73.8,79.4 v1(73.3,79.9) U1.U9@73.8,80.4 ; v1(74.3,73.9) 74.3,74.166 74.534,74.4 U1.T15@74.8,74.4 ; v1(74.3,85.9) U1.T4@74.8,85.4 ; v1(74.8,59.9) U1.T29@74.8,60.4 ; U1.T19@74.8,70.4 v1(75.3,69.9) ; U1.T11@74.8,78.4 74.811,78.4 75.289,77.922 v1(75.3,77.922) ; U1.T9@74.8,80.4 74.8,80.196 75.08,79.916 v1(75.309,79.916) 75.309,79.903 75.8,79.413 U1.R10@75.8,79.4 ; U1.T8@74.8,81.4 74.8,81.402 75.3,81.902 v1(75.3,81.905) ; U1.T7@74.8,82.4 v1(75.3,82.9) ; U4.77@75.3,44.8 U4.77@76.5,46 ; v1(75.3,73.9) 75.3,73.634 75.534,73.4 U1.R16@75.8,73.4 ; v1(75.3,84.9) 75.3,84.634 75.534,84.4 U1.R5@75.8,84.4 ; v1(75.3,88.9) U1.R1@75.8,88.4 ; v1(75.8,66.9) U1.R22@75.8,67.4 ; U1.R14@75.8,75.4 v1(76.3,75.9) ; U1.R9@75.8,80.4 75.803,80.4 76.297,79.907 v1(76.3,79.907) ; v1(76.3,81.905) 76.3,81.902 76.8,81.402 U1.P8@76.8,81.4 ; v1(76.3,82.9) U1.P7@76.8,82.4 ; v1(76.3,85.9) U1.P4@76.8,85.4 ; U1.P25@76.8,64.4 v1(77.3,63.9) ; v1(76.8,73.9) U1.P15@76.8,74.4 ; U1.P12@76.8,77.4 v1(76.8,77.922) U1.P11@76.8,78.4 ; v1(76.8,79.907) U1.P9@76.8,80.4 ; v1(76.953,36.598) U2.25@78.003,35.548 ; U1.N28@77.8,61.4 v1(78.3,60.9) ; U1.N18@77.8,71.4 77.805,71.4 78.295,70.909 v1@78.3,70.909 ; U1.N16@77.8,73.4 78.066,73.4 78.3,73.166 v1(78.3,72.9) ; U1.N14@77.8,75.4 78.066,75.4 78.3,75.634 78.3,76.166 78.534,76.4 U1.M13@78.8,76.4 ; U1.N12@77.8,77.4 78.066,77.4 78.3,77.634 v1(78.3,77.922) ; U1.N10@77.8,79.4 v1(77.8,79.907) ; U1.N9@77.8,80.4 78.155,80.4 78.3,80.255 v1(78.3,79.907) ; U1.N5@77.8,84.4 v1(78.3,84.9) ; U1.N2@77.8,87.4 v1(78.293,87.893) ; U1.N1@77.8,88.4 v1(78.3,88.9) ; X3.2@77.85,50.75 X3.2@77.9,50.75 X3.2@77.95,50.75 ; v1(78.3,68.38) 78.31,68.39 78.79,68.39 U1.M21@78.8,68.4 ; v1(78.3,73.9) U1.M15@78.8,74.4 ; X3.4@78.65,50.05 v1(78.7,50.05) X3.4@78.75,50.05 ; v1(78.8,77.922) U1.M11@78.8,78.4 ; v1(78.8,79.907) U1.M9@78.8,80.4 ; U1.M8@78.8,81.4 78.8,81.402 79.3,81.902 v1(79.3,81.905) ; U1.M7@78.8,82.4 v1(79.3,82.9) ; U1.M4@78.8,85.4 v1(79.3,85.9) ; U1.M3@78.8,86.4 v1(79.3,86.9) ; v1(79.3,65.4) U1.L24@79.8,65.4 ; v1(79.3,73.894) 79.3,73.693 79.593,73.4 U1.L16@79.8,73.4 ; v1(79.388,107.525) 79.388,107.188 79.476,107.1 R59.2@79.8,107.1 R59.2@79.774,107.074 ; U1.L14@79.8,75.4 79.8,75.693 80.507,76.4 U1.K13@80.8,76.4 ; U1.L12@79.8,77.4 U1.L12@79.808,77.4 ; U1.L10@79.8,79.4 v1(79.8,79.907) U1.L9@79.8,80.4 ; U1.L5@79.8,84.4 v1(80.3,84.9) ; U1.L1@79.8,88.4 v1(80.3,88.9) ; v1(80.216,48.409) 80.211,48.405 79.705,48.405 U4.19@79.7,48.4 79.7,49.417 79.983,49.7 80,49.7 v1(80.3,49.4) ; v1(80.3,79.907) 80.3,79.558 80.458,79.4 U1.K10@80.8,79.4 ; R43.2@80.5,104.5 80.55,104.45 82.31,104.45 ; C52.1@80.509,103.125 80.534,103.151 81.349,103.151 81.35,103.15 VR3.5@81.6,103.15 82.15,103.15 82.31,103.31 82.31,105.44 VR3.1@82,105.75 ; R47.2@80.6,117.743 R47.2@80.675,117.743 ; U1.K27@80.8,62.4 v1(81.3,61.9) ; v1(80.8,71.9) U1.K17@80.8,72.4 ; v1(80.8,79.907) U1.K9@80.8,80.4 ; U1.K7@80.8,82.4 80.808,82.4 81.292,82.884 v1(81.3,82.884) ; U1.K4@80.8,85.4 v1(81.3,85.9) ; v1(81.3,69.4) U1.J20@81.8,69.4 ; v1(81.3,79.907) 81.3,80.4 U1.J9@81.8,80.4 ; v1(81.448,106.31) 81.839,105.919 VR3.1@81.839,105.907 ; v1(81.8,58.9) U1.J30@81.8,59.4 ; U1.J5@81.8,84.4 v1(82.3,84.9) ; U1.J2@81.8,87.4 v1(82.3,87.9) ; C13.2@82.08,41.193 82.091,41.205 v1(82.52,41.205) ; C5.1@82.081,41.91 82.083,41.913 v1(82.524,41.913) ; U1.H23@82.8,66.4 v1(83.3,66.4) ; U1.H9@82.8,80.4 U1.G9@83.8,80.4 v1(83.8,79.907) ; U1.H8@82.8,81.4 v1(83.3,81.9) ; U1.H7@82.8,82.4 v1(83.3,82.9) ; U1.H4@82.8,85.4 v1(83.3,85.9) ; U1.H3@82.8,86.4 82.8,86.403 83.294,86.897 v1(83.294,86.9) ; U3.57@83.747,32 84.747,31 87.247,28.5 U3.57@87.697,28.05 ; U1.G26@83.8,63.4 v1(84.3,62.9) ; v1(83.8,72.9) U1.G16@83.8,73.4 ; U1.G12@83.8,77.4 83.8,77.715 83.8,77.928 U1.G11@83.8,78.4 ; U1.G10@83.8,79.4 84.142,79.4 84.3,79.558 v1@84.3,79.907 ; U1.G5@83.8,84.4 v1(84.3,84.9) ; U1.G1@83.8,88.4 83.812,88.4 84.288,88.877 v1(84.3,88.877) ; R7.1@84.07,36.335 84.072,36.333 v1(84.072,36.035) ; v1(84.3,59.9) U1.F29@84.8,60.4 ; v1(84.3,81.9) U1.F8@84.8,81.4 ; C9.1@84.695,35.589 84.709,35.575 v1(84.995,35.575) ; v1(84.796,69.9) U1.F19@84.796,70.396 ; U1.F13@84.8,76.4 U1.E13@85.8,76.4 v1(85.8,75.9) ; U1.F12@84.8,77.4 84.8,77.411 85.3,77.911 v1(85.3,77.922) 85.289,77.922 84.811,78.4 U1.F11@84.8,78.4 ; U1.F7@84.8,82.4 84.8,82.422 85.3,82.922 v1(85.3,82.944) ; U1.F4@84.8,85.4 v1(85.3,85.9) ; v1(85.3,67.9) U1.E22@85.8,67.4 ; U1.E10@85.8,79.4 85.8,79.403 86.3,79.903 v1(86.3,79.907) ; U1.E5@85.8,84.4 v1(86.3,84.9) ; U1.E2@85.8,87.4 v1(86.3,87.9) ; U1.E1@85.8,88.4 v1(86.3,88.9) ; v1(86.595,35.595) 86.889,35.595 C8.1@86.895,35.589 ; U1.D25@86.8,64.4 86.802,64.4 v1(87.303,64.899) v1(87.303,64.899) ; v1(86.8,73.9) U1.D15@86.8,74.4 ; v1(86.8,75.9) U1.D13@86.8,76.4 U1.C13@87.8,76.4 U1.B13@88.8,76.4 U1.A13@89.8,76.4 ; U1.D12@86.8,77.4 86.8,77.415 87.291,77.907 v1(87.291,77.922) ; U1.D8@86.8,81.4 v1(87.3,81.9) ; U1.D4@86.8,85.4 v1(87.3,85.9) ; U1.D3@86.8,86.4 v1(87.3,86.9) ; U1.C28@87.8,61.4 v1(88.3,61.4) ; U1.C18@87.8,71.4 v1(88.3,71.4) ; U1.C10@87.8,79.4 87.8,79.403 88.3,79.903 v1(88.3,79.907) ; U1.C5@87.8,84.4 v1(88.3,84.9) ; U1.C1@87.8,88.4 v1(88.3,88.9) ; U1.B21@88.8,68.4 88.805,68.405 89.295,68.405 v1(89.3,68.409) ; U1.B12@88.8,77.4 v1(88.8,77.9) ; U1.B8@88.8,81.4 v1(89.3,81.9) ; U1.B4@88.8,85.4 v1(89.3,85.9) ; v1(89.328,79.908) 89.328,79.89 89.8,79.418 U1.A10@89.8,79.4 ; C3.1@89.602,27.194 v1@90.094,27.194 ; v1(89.8,64.9) U1.A24@89.8,65.4 ; U1.A9@89.8,80.4 89.931,80.4 90.166,80.166 v1(90.166,79.917) ; U1.A6@89.8,83.4 89.991,83.4 90.225,83.634 v1(90.225,83.9) ; U1.A5@89.8,84.4 89.966,84.4 90.2,84.634 v1(90.2,84.9) ; U1.A2@89.8,87.4 89.937,87.4 90.171,87.634 v1(90.171,87.9) ; U1.A1@89.8,88.4 89.966,88.4 90.2,88.634 v1(90.2,88.9) ; U5.9@90.502,32.286 U5.9@90.502,32.386 ; 101.95,74.9 102.431,75.381 C164.1@102.431,76.354 ; C187.1@104.545,71.802 C171.1@104.545,72.59 104.545,73.245 105.8,74.5 107.516,74.5 107.916,74.9 108.55,74.9 ; v1@117.391,49.459 v1(117.4,49.468) ; v1@117.396,56.645 v1(117.402,56.639) ; v1@117.406,59.652 v1(117.408,59.655) ; v1@117.416,104.65 v1(117.424,104.658) ; v1@117.429,54.852 v1(117.431,54.854) ; v1(121.8,92.95) DIMM2.48@123.1,92.95 v1(124.4,92.95) ; v1(121.8,94.15) DIMM2.44@123.1,94.15 v1(124.4,94.15) ; v1(121.8,95.95) DIMM2.38@123.1,95.95 v1(124.4,95.95) ; v1(121.8,97.75) DIMM2.32@123.1,97.75 v1(124.4,97.75) ; v1(121.8,99.55) DIMM2.26@123.1,99.55 v1(124.4,99.55) ; v1(121.8,101.35) DIMM2.20@123.1,101.35 v1(124.4,101.35) ; v1(121.8,103.15) DIMM2.14@123.1,103.15 v1(124.4,103.15) ; v1(121.8,104.95) DIMM2.8@123.1,104.95 v1(124.4,104.95) ; v1(121.8,106.75) DIMM2.2@123.1,106.75 v1(124.4,106.75) ; VR6.19@67.677,112.768 VR6.19@67.701,112.744 ; VR6.19@67.688,112.67 VR6.19@67.69,112.67 ; VR6.19@67.688,112.67 67.69,112.668 VR6.19@67.69,112.67 ; VR6.19@67.688,112.67 VR6.19@67.688,112.731 ; VR6.19@67.688,112.731 VR6.19@67.701,112.744 ; C20.2@73.485,35.576 73.485,35.899 ; v1@117.431,101.65 v1(117.432,101.649)